# Altium PCB interface.PcbDoc (continued)
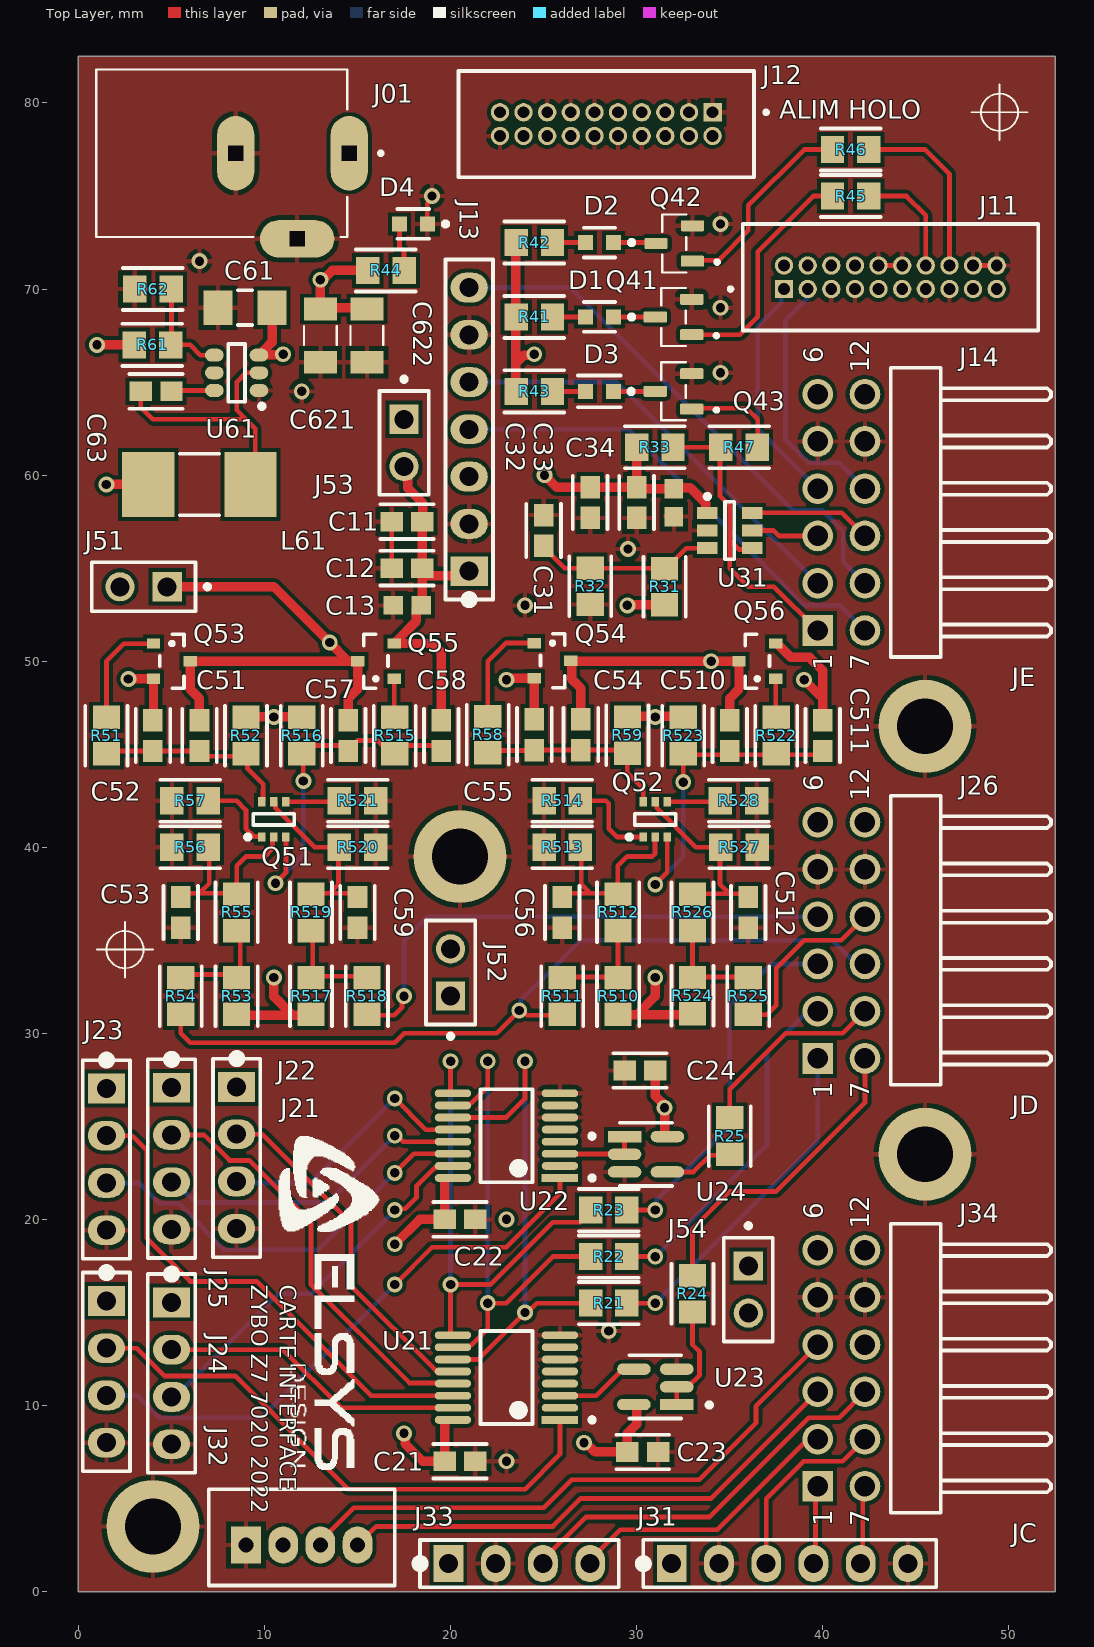
[diagram p0: Top Layer view]
## Part data (continued)
R31: library part ESR10EZPJ823, "Res Anti-surge 0805 82K Ohm 0.4W 5% SMD", Case Code (Imperial)=0805, Case Code (Metric)=2012, Manufacturer=Rohm, Max Operating Temperature=155°C, Max Power Dissipation=400mW, Min Operating Temperature=-55°C, Resistance=82kR, Supplier Part Number 1=755-ESR10EZPJ823, Temperature Coefficient=200ppm/°C, Tolerance=5%, Case/Package=0805, Category="Chip SMD Resistors", ComponentLink1Description=https://www.rohm.com/datasheet/ESR01MZPF/esr-e?src-supplier=Digi-Key, ComponentLink1URL=https://www.rohm.com/datasheet/ESR01MZPF/esr-e?src-supplier=Digi-Key, Features="Automotive AEC-Q200", Height=0.55mm, Length=2mm, Manufacturer Part Number=ESR10EZPJ823, Number of Terminations=2, Packaging="Tape and Reel", Pricing 1="1=0,10000, 10=0,08600, 50=0,08600, 100=0,03300, 1000=0,01500, 10000=0,01100 (USD)", RoHS=Yes, RoHS Compliant=Yes, Series=ESR, Stock 1=11137, Supplier 1=Mouser, Width=1.25mm
R32: library part ESR10EZPF2002, "Res Thick Film 0805 20KOhm 1% 2/5W ±100ppm/°C Molded SMD Paper T/R", Case/Package=0805, Manufacturer=Rohm, Max Operating Temperature=155°C, Max Power Dissipation=400mW, Min Operating Temperature=-55°C, Package Quantity=5000, Resistance=20kR, Resistor Type="Thick Film", Supplier Part Number 1=755-ESR10EZPF2002, Temperature Coefficient=100ppm/°C, Tolerance=1%, Category="Chip SMD Resistors", ComponentLink1Description=http://rohmfs.rohm.com/en/products/databook/datasheet/passive/resistor/chip_resistor/esr.pdf?src-supplier=Avnet, ComponentLink1URL=http://rohmfs.rohm.com/en/products/databook/datasheet/passive/resistor/chip_resistor/esr.pdf?src-supplier=Avnet, ComponentLink2Description=http://www.rohm.com/web/global/datasheet/ESR01MZPF/esr-e?src-supplier=Digi-Key, ComponentLink2URL=http://www.rohm.com/web/global/datasheet/ESR01MZPF/esr-e?src-supplier=Digi-Key, Features="Automotive AEC-Q200", Height=0.026inch, Length=0.079inch, Manufacturer Part Number=ESR10EZPF2002, Number of Terminations=2, Packaging="Tape and Reel", Pricing 1="1=0,18000, 10=0,15300, 50=0,15300, 100=0,06000, 1000=0,02600, 10000=0,02000 (USD)", RoHS=Yes, RoHS Compliant=Yes, Series=ESR10, Stock 1=3687, Supplier 1=Mouser, Width=0.049inch
R33 R52 R59 R62 R516 R523: library part ESR10EZPF1002, "Res Thick Film 0805 10K Ohm 1% 0.4W ±100ppm/C Pad SMD Automotive T/R", Case Code (Imperial)=0805, Case Code (Metric)=2012, Manufacturer=Rohm, Max Operating Temperature=155°C, Max Power Dissipation=400mW, Min Operating Temperature=-55°C, Package Quantity=1, Resistance=10kR, Resistor Type="Thick Film", Supplier Part Number 1=755-ESR10EZPF1002, Temperature Coefficient=100ppm/°C, Tolerance=1%, Case/Package=0805, Category="Chip SMD Resistors", ComponentLink1Description=https://datasheet.ciiva.com/2469/esr-2469862.pdf?src-supplier=Digi-Key, ComponentLink1URL=https://datasheet.ciiva.com/2469/esr-2469862.pdf?src-supplier=Digi-Key, ComponentLink2Description=https://datasheet.ciiva.com/2469/esr-2469863.pdf?src-supplier=Digi-Key, ComponentLink2URL=https://datasheet.ciiva.com/2469/esr-2469863.pdf?src-supplier=Digi-Key, ComponentLink3Description=https://datasheet.ciiva.com/2469/esr-2469864.pdf?src-supplier=Digi-Key, ComponentLink3URL=https://datasheet.ciiva.com/2469/esr-2469864.pdf?src-supplier=Digi-Key, Features="Automotive AEC-Q200", Height=0.026inch, Length=0.079inch, Manufacturer Part Number=ESR10EZPF1002, Number of Terminations=2, Packaging="Tape and Reel", Pricing 1="1=0,18000, 10=0,15300, 50=0,15300, 100=0,06000, 1000=0,02600, 2500=0,02300, 5000=0,02000, 10000=0,02000 (USD)", RoHS=Yes, RoHS Compliant=Yes, Series=ESR, Stock 1=82018, Supplier 1=Mouser, Width=0.049inch
R41 R42 R44: library part ESR10EZPJ391, "Res Thick Film 0805 390 Ohm 5% 0.4W ±200ppm/C Pad SMD Automotive T/R", Case Code (Imperial)=0805, Case Code (Metric)=2012, Manufacturer=Rohm, Max Operating Temperature=155°C, Max Power Dissipation=400mW, Min Operating Temperature=-55°C, Package Quantity=1, Resistance=390R, Resistor Type="Thick Film", Supplier Part Number 1=755-ESR10EZPJ391, Temperature Coefficient=200ppm/°C, Tolerance=5%, Case/Package=0805, Category="Chip SMD Resistors", ComponentLink1Description=https://datasheet.ciiva.com/2525/esr-2525659.pdf?src-supplier=Digi-Key, ComponentLink1URL=https://datasheet.ciiva.com/2525/esr-2525659.pdf?src-supplier=Digi-Key, ComponentLink2Description=https://datasheet.ciiva.com/2525/esr-2525660.pdf?src-supplier=Digi-Key, ComponentLink2URL=https://datasheet.ciiva.com/2525/esr-2525660.pdf?src-supplier=Digi-Key, ComponentLink3Description=https://datasheet.ciiva.com/2525/esr-2525661.pdf?src-supplier=Digi-Key, ComponentLink3URL=https://datasheet.ciiva.com/2525/esr-2525661.pdf?src-supplier=Digi-Key, Features="Automotive AEC-Q200", Height=0.026inch, Length=0.079inch, Manufacturer Part Number=ESR10EZPJ391, Number of Terminations=2, Packaging="Tape and Reel", Pricing 1="1=0,10000, 10=0,08600, 50=0,08600, 100=0,03300, 1000=0,01500, 10000=0,01100 (USD)", RoHS=Yes, RoHS Compliant=Yes, Series=ESR, Stock 1=14695, Supplier 1=Mouser, Width=0.049inch
R43: library part ESR10EZPJ621, "Res Thick Film 0805 620 Ohm 5% 0.4W ±200ppm/C Pad SMD Automotive T/R", Case Code (Imperial)=0805, Case Code (Metric)=2012, Manufacturer=Rohm, Max Operating Temperature=155°C, Max Power Dissipation=400mW, Min Operating Temperature=-55°C, Package Quantity=5000, Resistance=620R, Resistor Type="Thick Film", Supplier Part Number 1=755-ESR10EZPJ621, Temperature Coefficient=200ppm/°C, Tolerance=5%, Case/Package=0805, Category="Chip SMD Resistors", ComponentLink1Description=https://datasheet.ciiva.com/14925/esr-14925654.pdf?src-supplier=Digi-Key, ComponentLink1URL=https://datasheet.ciiva.com/14925/esr-14925654.pdf?src-supplier=Digi-Key, ComponentLink2Description=https://datasheet.ciiva.com/14932/esr-14932253.pdf?src-supplier=Digi-Key, ComponentLink2URL=https://datasheet.ciiva.com/14932/esr-14932253.pdf?src-supplier=Digi-Key, Features="Automotive AEC-Q200", Height=0.026inch, Length=0.079inch, Manufacturer Part Number=ESR10EZPJ621, Number of Terminations=2, Packaging="Tape and Reel", Pricing 1="1=0,10000, 10=0,08600, 50=0,08600, 100=0,03300, 1000=0,01500, 2500=0,01300, 5000=0,01100, 10000=0,01100 (USD)", RoHS=Yes, RoHS Compliant=Yes, Series=ESR, Stock 1=24071, Supplier 1=Mouser, Width=0.049inch
R51 R55 R56 R58 R512 R513 R515 R519 R520 R522 R526 R527: library part ESR10EZPF1001, "Res Thick Film 0805 1K Ohm 1% 0.4W ±100ppm/C Epoxy Resin Pad SMD Automotive T/R", Case Code (Imperial)=0805, Case Code (Metric)=2012, Manufacturer=Rohm, Max Operating Temperature=155°C, Max Power Dissipation=400mW, Min Operating Temperature=-55°C, Package Quantity=1, Resistance=1kR, Resistor Type="Thick Film", Supplier Part Number 1=755-ESR10EZPF1001, Temperature Coefficient=100ppm/°C, Tolerance=1%, Case/Package=0805, Category="Chip SMD Resistors", ComponentLink1Description=https://datasheet.ciiva.com/2470/esr-2470004.pdf?src-supplier=Digi-Key, ComponentLink1URL=https://datasheet.ciiva.com/2470/esr-2470004.pdf?src-supplier=Digi-Key, ComponentLink2Description=https://datasheet.ciiva.com/2470/esr-2470005.pdf?src-supplier=Digi-Key, ComponentLink2URL=https://datasheet.ciiva.com/2470/esr-2470005.pdf?src-supplier=Digi-Key, ComponentLink3Description=https://datasheet.ciiva.com/2470/esr-2470003.pdf?src-supplier=Digi-Key, ComponentLink3URL=https://datasheet.ciiva.com/2470/esr-2470003.pdf?src-supplier=Digi-Key, Features="Automotive AEC-Q200", Height=0.026inch, Lead Free="Lead Free", Length=0.079inch, Manufacturer Part Number=ESR10EZPF1001, Number of Terminations=2, Packaging="Tape and Reel", Power Rating=400mW, Pricing 1="1=0,18000, 10=0,15300, 50=0,15300, 100=0,06000, 1000=0,02600, 10000=0,02000 (USD)", RoHS=Yes, RoHS Compliant=Yes, Series=ESR, Size Code=0805, Stock 1=27313, Supplier 1=Mouser, Width=0.049inch
R53 R510 R517 R524: library part ESR10EZPF1003, "Res Thick Film 0805 100K Ohm 1% 0.4W ±100ppm/C Epoxy Resin Pad SMD Automotive T/R", Case Code (Imperial)=0805, Case Code (Metric)=2012, Manufacturer=Rohm, Max Operating Temperature=155°C, Max Power Dissipation=400mW, Min Operating Temperature=-55°C, Package Quantity=1, Resistance=100kR, Resistor Type="Thick Film", Supplier Part Number 1=755-ESR10EZPF1003, Temperature Coefficient=100ppm/°C, Tolerance=1%, Working Voltage=150V, Case/Package=0805, Category="Chip SMD Resistors", ComponentLink1Description=https://datasheet.ciiva.com/2498/esr-2498617.pdf?src-supplier=Digi-Key, ComponentLink1URL=https://datasheet.ciiva.com/2498/esr-2498617.pdf?src-supplier=Digi-Key, ComponentLink2Description=https://datasheet.ciiva.com/2498/esr-2498618.pdf?src-supplier=Digi-Key, ComponentLink2URL=https://datasheet.ciiva.com/2498/esr-2498618.pdf?src-supplier=Digi-Key, ComponentLink3Description=https://datasheet.ciiva.com/2498/esr-2498619.pdf?src-supplier=Digi-Key, ComponentLink3URL=https://datasheet.ciiva.com/2498/esr-2498619.pdf?src-supplier=Digi-Key, Features="Automotive AEC-Q200", Height=0.026inch, Lead Free="Lead Free", Length=0.079inch, Manufacturer Part Number=ESR10EZPF1003, Number of Terminations=2, Packaging="Tape and Reel", Power Rating=400mW, Pricing 1="1=0,18000, 10=0,15300, 50=0,15300, 100=0,06000, 1000=0,02600, 10000=0,02000 (USD)", RoHS=Yes, RoHS Compliant=Yes, Series=ESR, Stock 1=66757, Supplier 1=Mouser, Technology="THICK FILM", Width=0.049inch
R57 R514 R521 R528: library part ESR10EZPJ821, "Res Thick Film 0805 820 Ohm 5% 0.4W ±200ppm/C Epoxy Resin Pad SMD Automotive T/R", Case Code (Imperial)=0805, Case Code (Metric)=2012, Manufacturer=Rohm, Max Operating Temperature=155°C, Max Power Dissipation=400mW, Min Operating Temperature=-55°C, Package Quantity=1, Power Rating=250mW, Resistance=820R, Resistor Type="Thick Film", Supplier Part Number 1=755-ESR10EZPJ821, Temperature Coefficient=200ppm/°C, Tolerance=5%, Case/Package=0805, Category="Chip SMD Resistors", ComponentLink1Description=https://datasheet.ciiva.com/2469/esr-2469639.pdf?src-supplier=Digi-Key, ComponentLink1URL=https://datasheet.ciiva.com/2469/esr-2469639.pdf?src-supplier=Digi-Key, ComponentLink2Description=https://datasheet.ciiva.com/2469/esr-2469640.pdf?src-supplier=Digi-Key, ComponentLink2URL=https://datasheet.ciiva.com/2469/esr-2469640.pdf?src-supplier=Digi-Key, ComponentLink3Description=https://datasheet.ciiva.com/2469/esr-2469641.pdf?src-supplier=Digi-Key, ComponentLink3URL=https://datasheet.ciiva.com/2469/esr-2469641.pdf?src-supplier=Digi-Key, ComponentLink4Description=https://datasheet.ciiva.com/16508/esr10ezpd-16508527.pdf?src-supplier=Future+Electronics, ComponentLink4URL=https://datasheet.ciiva.com/16508/esr10ezpd-16508527.pdf?src-supplier=Future+Electronics, Features="Automotive AEC-Q200", Height=0.026inch, Lead Free="Lead Free", Length=0.079inch, Manufacturer Part Number=ESR10EZPJ821, Number of Terminations=2, Packaging="Tape and Reel", Pricing 1="1=0,10000, 10=0,08600, 50=0,08600, 100=0,03300, 1000=0,01500, 10000=0,01100 (USD)", RoHS=Yes, RoHS Compliant=Yes, Series=ESR, Size Code=0805, Stock 1=2887, Supplier 1=Mouser, Width=0.049inch
R61: library part KTR10EZPF5232, "Res High Voltage 0805 52.3K Ohm 1/8W 1% SMD", Case Code (Imperial)=0805, Case Code (Metric)=2012, Manufacturer=Rohm, Max Operating Temperature=155°C, Max Power Dissipation=125mW, Min Operating Temperature=-55°C, Package Quantity=5000, Resistance=52.3kR, Resistor Type="Thick Film", Supplier Part Number 1=755-KTR10EZPF5232, Temperature Coefficient=100ppm/°C, Tolerance=1%, Case/Package=0805, Category="Chip SMD Resistors", ComponentLink1Description=https://datasheet.ciiva.com/14926/ktr-14926604.pdf?src-supplier=Digi-Key, ComponentLink1URL=https://datasheet.ciiva.com/14926/ktr-14926604.pdf?src-supplier=Digi-Key, Features="Automotive AEC-Q200", Height=0.026inch, Length=0.079inch, Manufacturer Part Number=KTR10EZPF5232, Number of Terminations=2, Packaging="Cut Tape", Pricing 1="1=0,19000, 10=0,16700, 50=0,16700, 100=0,06600, 1000=0,02800, 10000=0,02200 (USD)", RoHS=Yes, RoHS Compliant=Yes, Series=KTR, Stock 1=7499, Supplier 1=Mouser, Width=0.049inch
U21 U22: "1-CHANNEL, 8:1 GENERAL-PURPOSE A", Supplier Part Number 1=595-TMUX1308PWR, Supplier 1=Mouser
U23 U24: "Single Power Supply 2-input POSITIVE NOR GATE Logic Level Shifter 5-SOT-23 -40 to 125", Case/Package=SOT-23-5, High Level Output Current=8mA, Manufacturer="Texas Instruments", Max Operating Temperature=125°C, Min Operating Temperature=-40°C, Quiescent Current=10uA, Supplier Part Number 1=595-SN74LV1T02DBVRG4, Category="Logic Gates", ComponentLink1Description=http://www.ti.com/lit/ds/symlink/sn74lv1t02.pdf?src-supplier=Digi-Key, ComponentLink1URL=http://www.ti.com/lit/ds/symlink/sn74lv1t02.pdf?src-supplier=Digi-Key, ComponentLink2Description=http://www.ti.com/general/docs/suppproductinfo.tsp?distId=10&amp;gotoUrl=http%3A%2F%2Fwww.ti.com%2Flit%2Fgpn%2Fsn74lv1t02&src-supplier=Digi-Key, ComponentLink2URL=http://www.ti.com/general/docs/suppproductinfo.tsp?distId=10&amp;gotoUrl=http%3A%2F%2Fwww.ti.com%2Flit%2Fgpn%2Fsn74lv1t02&src-supplier=Digi-Key, Logic Function="NOR GATE", Low Level Output Current=8mA, Manufacturer Part Number=SN74LV1T02DBVRG4, Mount="Surface Mount", Number of Bits=1, Number of Circuits=1, Number of Inputs=2, Packaging="Cut Tape", Pricing 1="1=0,56000, 10=0,47800, 50=0,47800, 100=0,33100, 500=0,28000, 1000=0,21700, 3000=0,19700, 6000=0,18400, 10000=0,18400 (USD)", Propagation Delay=7ns, RoHS=Yes, RoHS Compliant=Yes, Stock 1=2805, Supplier 1=Mouser
U31: "10-Bit, 189kSPS, 1-Ch SAR ADC with I2C and Alert Pin 6-SOT-23-THIN -40 to 105", Case/Package=TSSOP, Manufacturer="TI National Semiconductor", Max Operating Temperature=105°C, Max Power Dissipation=60mW, Max Supply Voltage=5.5V, Min Operating Temperature=-40°C, Min Supply Voltage=2.7V, Operating Supply Voltage=5V, Package Quantity=3000, Supplier Part Number 1=926-A101C021CIMKXNPB, Category="Analog to Digital Converters (ADCs)", ComponentLink1Description=https://datasheet.ciiva.com/13061/snas446c-181689-13061009.pdf?src-supplier=Mouser, ComponentLink1URL=https://datasheet.ciiva.com/13061/snas446c-181689-13061009.pdf?src-supplier=Mouser, ComponentLink2Description=https://datasheet.ciiva.com/14259/adc101c027-14259479.pdf?src-supplier=Avnet, ComponentLink2URL=https://datasheet.ciiva.com/14259/adc101c027-14259479.pdf?src-supplier=Avnet, ComponentLink3Description=https://datasheet.ciiva.com/6662/adc101c021-6662764.pdf?src-supplier=Digi-Key, ComponentLink3URL=https://datasheet.ciiva.com/6662/adc101c021-6662764.pdf?src-supplier=Digi-Key, Contact Plating=Tin,Matte, Conversion Rate=188.9KS/s, Differential Nonlinearity=0.7LSB, Full Scale Error=1LSB, Input Type=SINGLE-ENDED, Integral Nonlinearity (INL)=0.7LSB, Interface=I2C, Lead Free="Lead Free", Manufacturer Part Number=ADC101C021CIMKX/NOPB, Mount="Surface Mount", Number of A/D Converters=1, Number of Analog Inputs=1, Number of Bits=10, Number of Channels=1, Number of Converters=1, Number of Inputs=1, Number of Pins=6, Packaging="Tape and Reel", Polarity=Unipolar, Pricing 1="1=1,72000, 10=1,55000, 50=1,47000, 100=1,21000, 1000=0,78700, 10000=0,78700 (USD)", Radiation Hardening=No, Resolution=10b, RoHS=Yes, RoHS Compliant=Yes, Sampling Rate=188900S/s, Series=-, Signal to Noise Ratio (SNR)=61.8dB, Stock 1=2915, Supplier 1=Mouser, Supply Type=Analog,Digital,Single
U61: "Converter DC to DC 4.2V to 18V Synchronous Step Down Single-Out 3A 6-Pin TSOT-26 T/R", Manufacturer=Diodes, Supplier Part Number 1=621-AP62301WU-7, Category="Voltage Regulators - Switching", Manufacturer Part Number=AP62301WU-7, Pricing 1="1=0,49000, 10=0,41600, 50=0,41600, 100=0,28800, 500=0,24400, 1000=0,18900, 3000=0,17100, 10000=0,17100 (USD)", RoHS=Yes, Stock 1=159264, Supplier 1=Mouser

## Free pads (board coordinates)
  round 5 hole 3: ""(4,3.5) ""(20.5,39.5) ""(45.5,23.5) ""(45.5,46.5)

## Via types
v1: diameter 0.85, hole 0.5, Top Layer to Bottom Layer, 48 vias
v2: diameter 0.85/0.85/0.85/0.85 (per signal layer), hole 0.5, Top Layer to Bottom Layer, 3 vias

## Nets (pads, with @x,y where several pads share a name; then routed paths per layer and width w, separated by ;. In a path a pad name is that pad's centre, name@x,y a point inside that pad or via, vN(x,y) a via of type N, cw(c..) or ccw(c..) an arc to the next point about the centre after c; other vN are vias at no path point)
+3V3: C32.2 C33.2 C34.2 C54.2 C510.2 J12.5 J12.7 J12.9 J12.17 J12.19 J13.3 J32.2 J33.1 J52.1 J54.1 Q54.3 Q56.3 R33.1 R53.2 R510.2 R517.2 R524.2 U31.1 | length 41
  Top Layer w0.508: R53.2@8.587,31.062 8.5,30.975 11.5,30.975 ; v1(10.5,33) 10.5,31.975 11.5,30.975 ; R517.2@12.413,31.062 12.5,30.975 11.5,30.975 ; v1(25.046,60) 25.695,59.351 C33.2 ; Q54.3 26.5,50.025 Q54.3@26.5,50 ; C54.2 27,48.55 26.5,49.05 Q54.3@26.5,50 ; R510.2@29,31 29,30.975 29.025,31 30,31 ; R33.1 C33.2 ; v1(31,33) 31,32 30,31 ; R524.2@33,31 30,31 ; U31.1 33.776,57.975 33.705,58.046 33.705,58.5 32.873,59.331 32.081,59.331 32,59.25 C34.2 30.076,59.275 C33.2 ; C510.2 35,48 35.5,48.5 Q56.3 v1(34,50) 28.907,50 Q54.3@26.5,50
+3V3_NFC: C511.2 J31.1 J54.2 Q56.2 | length 7.2
  Top Layer w0.508: Q56.2 37.551,50.95 38.294,50.206 39.294,50.206 40,49.5 40,48.163 ; v1(39,49) 39.837,48.163 40,48.163 ; C511.2 40,48.163
+3V3_US: C24.2 C55.2 J52.2 Q54.2 U24.5 | length 7.5
  Top Layer w0.508: v1(23,49) 23.075,49.075 Q54.2 24.5,49.068 C55.2 ; C24.2 31,26.64 31.5,26.14 v1(31.5,26) 31.5,24.6 U24.5
+5V: C51.2 C57.2 J12.2 J12.4 J12.6 J51.1 J53.1 Q53.3 Q55.3 R41.2 R42.2 R43.2 | length 36.4
  Top Layer w0.508: J51.1 10.5,54 v1(13.5,51) 14.5,50 ; C51.2 6.5,48 6,48.5 Q53.3 14.5,50 ; C57.2 14.5,48 15,48.5 Q55.3 14.5,50 ; R43.2@23.475,64.5 23.5,64.525 23.5,66 ; R42.2@23.475,72.5 23.5,72.475 23.5,68.525 23.475,68.5 23.5,68.475 23.5,66 ; v1(24.5,66.5) 24.434,66.434 23.934,66.434 23.5,66
+5V_US: C21.2 C22.2 C23.2 C52.2 J21.1 J22.1 J23.1 J24.1 J25.1 J51.2 Q53.2 U21.16 U22.16 U23.5 | length 19.7
  Top Layer w0.508: v1(2.681,49.044) 2.684,49.047 4.029,49.047 Q53.2 4.032,46.858 C52.2 ; v2(17,18.661) 18.339,20 C22.2 U22.16@19.674,22.181 ; v2(17.5,8.5) 17.566,8.434 17.566,7.934 18.5,7 C21.2 U21.16@19.674,9.148 ; v2(27.171,8) 27.264,8 27.764,7.5 C23.2 29.5,8.5 30,9 30,10.002 29.952,10.05 U23.5
+5V_ZYBO: C621.2 C622.2 J01.1 L61.2 R44.2 R61.2 | length 11
  Top Layer w0.508: v1(1,67) R61.2 ; v1(1.5,59.5) L61.2 ; C622.2 15.428,69 13,69 v1(13,70.5) 13.14,70.5 13.64,71 R44.2@15.5,71
+12V: C61.2 J12.14 J12.16 J12.18 R31.2 R52.1 R59.1 R516.1 R523.1 U61.3 | length 12.1
  Top Layer w0.508: R52.1@9,47.025 R516.1@12,47.025 ; U61.3 9.725,66.475 U61.3@9.754,66.475 ; C61.2 10.403,67.153 9.935,66.685 9.935,66.656 U61.3@9.754,66.475 ; v1(11,66.5) 10.975,66.475 U61.3@9.754,66.475 ; R59.1@29.5,47.05 32.475,47.05 R523.1@32.5,47.025 ; v1(29.5,53) 29.524,53.024 31.476,53.024 R31.2@31.5,53.048
  other v1: 10.5,47 31,47
BALISE_I2C_SCL: J33.4 J34.2 | length 15.1
  Top Layer w0.254: J33.4 27.5,1.7 29.122,3.323 34.322,3.323 38,7 38.923,7.923 39.463,7.923 J34.2
BALISE_I2C_SDA: J33.3 J34.9 | length 21.3
  Top Layer w0.254: J33.3 24.96,1.7 27.26,4 33.911,4 39.253,9.342 40.882,9.342 J34.9
BAT_ALERT: J14.1 R33.2 R47.1 U31.4 | length 16.8
  Top Layer w0.254: R33.2 R47.1@34.475,61.5 ; R47.1 R47.1@34.475,61.5 ; U31.4 36.125,56 35.5,56 35,56.5 ; J14.1 37.38,54 36,54 35,55 35,56.5 ; R47.1@34.475,61.5 34.475,58.882 35,58.357 35,56.5
BAT_I2C_SCL: J14.3 U31.5 | length 3.7
  Top Layer w0.254: U31.5 37.34,57.025 37.635,56.73 J14.3
BAT_I2C_SDA: J14.9 U31.6 | length 6.6
  Top Layer w0.254: U31.6 41.025,57.975 J14.9
GND: C11.1 C12.1 C13.1 C21.1 C22.1 C23.1 C24.1 C31.1 C32.1 C33.1 C34.1 C53.1 C56.1 C59.1 C61.1 C512.1 C621.1 C622.1 D4.1 J01.2 J01.3 J11.5 J11.7 J11.10 J11.12 J11.13 J11.15 J11.18 J11.20 J12.1 J12.3 J12.8 J12.10 J12.11 J12.12 J12.13 J12.15 J12.20 J13.2 J13.6 J14.5 J14.11 J21.4 J22.4 J23.4 J24.4 J25.4 J26.5 J26.11 J31.2 J31.6 J32.1 J33.2 J34.5 J34.11 pad. Q41.2 Q42.2 Q43.2 R32.1 R56.1 R57.1 R62.1 R513.1 R514.1 R520.1 R521.1 R527.1 R528.1 U21.6 U21.8 U22.6 U22.8 U23.3 U24.3 U31.2 U61.1 | length 7.1
  Top Layer w0.254: C12.1 C11.1 ; D4.1 18.75,74.589 19,74.839 v1(19,75) ; C34.1@31.577,57.775 C34.1 ; J11.10 J11.12 ; J11.18 J11.20
  other v1: 23,7 28.5,14 24,53 29.532,56.032 12,64.5 34.5,65.5 34.5,69 6.5,71.5 34.5,73.5
GSM_PWR_5VIN: C11.2 C12.2 C13.2 C58.2 J13.1 J53.2 Q55.2 | length 20.1
  Top Layer w0.508: Q55.2 Q55.2@17.05,50.95 ; J53.2 17.706,60.254 17.706,59.294 18.5,58.5 18.5,57.514 C11.2 C12.2 C12.2@18.486,54.603 ; C13.2 18.408,53 18.162,52.754 18.162,52.162 17.076,51.076 17.076,50.976 Q55.2@17.05,50.95 ; C13.2@18.486,53.076 C12.2@18.486,54.603 ; C58.2 19.5,50.5 19.05,50.95 Q55.2@17.05,50.95 ; J13.1 20.763,54.603 C12.2@18.486,54.603
  Top Layer pwr w0.508: J13.1@20.5,54.34 J13.1
GSM_RST: J13.7 J14.8 | length 28.8
  Bottom Layer w0.254: J13.7 26.42,70.08 38.382,58.118 39.971,58.118 41.105,56.984 41.105,55.355 J14.8
GSM_UART_RXD: J13.5 J14.2 | length 23.2
  Bottom Layer w0.254: J13.5 28.92,65 J14.2
GSM_UART_TXD: J13.4 J14.7 | length 25.7
  Bottom Layer w0.254: J13.4 29.54,62.46 39,53 40.92,53 J14.7
HOLO_LED_DEBUG: J11.16 R46.1 | length 9.7
  Top Layer w0.254: R46.1@42.525,77.5 45.5,77.5 46.81,76.19 J11.16
HOLO_LED_PWR: J11.14 R45.1 | length 6.1
  Top Layer w0.254: R45.1@42.525,75 44.5,75 45.54,73.96 J11.14
HOLO_UART_RX: J11.1 J14.4 | length 12.7
  Bottom Layer w0.254: J11.1 37.775,69.855 37.775,69.275 36.5,68 36.5,62.5 J14.4
HOLO_UART_TX: J11.3 J14.10 | length 14
  Bottom Layer w0.254: J11.3 39.23,69.96 39.23,69.57 38,68.34 38,61.911 39.253,60.658 40.882,60.658 J14.10
IMU_I2C_SCL: J32.4 J34.3 | length 28.1
  Top Layer w0.254: J32.4 16,3.5 25.5,3.5 27,5 34,5 J34.3
IMU_I2C_SDA: J32.3 J34.4 | length 31.8
  Top Layer w0.254: J32.3 13,2.7 14.8,4.5 25,4.5 26.5,6 33.351,6 36.407,9.056 36.407,9.947 J34.4
NetC31_2: C31.2 R31.1 R32.2 U31.3 | length 9.8
  Top Layer w0.254: C31.2 25,56.125 26.123,55.002 31.602,55.002 32.675,56.075 U31.3
NetC51_1: C51.1 C52.1 Q51.6 R51.1 R52.2 | length 10.8
  Top Layer w0.254: R51.1@1.5,44.975 1.699,45.174 C52.1@4.029,45.174 ; C52.1 4.014,45.16 C52.1@4.029,45.174 ; Q51.6@9.777,42.54 9.85,42.467 Q51.6 9.923,42.523 9.923,43.081 9.937,43.095 9.937,43.376 9.087,44.226 9.087,44.888 6.786,44.888 C51.1 C52.1@4.029,45.174
NetC53_2: C53.2 Q51.2 R55.2 R56.2 | length 10.2
  Top Layer w0.254: C53.2 5.699,37.525 6.5,37.525 ; R56.2@7.025,40 7.025,38.993 7.027,38.991 7.027,38.052 6.5,37.525 ; Q51.2 10.427,40.477 10.427,39.927 10,39.5 9,39.5 8.5,39 8.5,37.525 6.5,37.525
NetC54_1: C54.1 C55.1 Q52.6 R58.1 R59.2 | length 10.6
  Top Layer w0.254: R58.1@22,45.025 22.175,45.2 24.15,45.2 24.256,45.306 24.419,45.306 C55.1 C54.1 29.276,45.224 29.5,45 29.5,44 30.35,43.15 Q52.6
NetC56_2: C56.2 Q52.2 R512.2 R513.2 | length 10.5
  Top Layer w0.254: C56.2 26,37.396 C56.2@26.186,37.583 ; C56.2@26.206,37.532 27,37.532 ; 27.025,37.557 27,37.532 ; R513.2@27.025,40 27.025,38.007 27.5,37.532 ; Q52.2 30.987,40.537 30.987,39.656 30.838,39.507 29.487,39.507 28.987,39.007 28.987,37.538 29,37.525 28.993,37.532 27.5,37.532 ; 27,37.532 27.5,37.532
NetC57_1: C57.1 C58.1 Q51.3 R515.1 R516.2 | length 19
  Top Layer w0.254: v1(10.587,38.062) 10.587,38.076 11.15,38.639 Q51.3 ; v1(12.087,43.562) 12.087,44.888 12,44.975 12.498,45.473 14.201,45.473 C57.1 14.5,45.248 14.988,45.736 16.089,45.736 16.85,44.975 R515.1@17,44.975 ; R515.1@17.087,44.975 17.585,45.473 19.201,45.473 C58.1
  Bottom Layer w0.254: v1(10.587,38.062) 12.087,39.562 v1(12.087,43.562)
NetC59_2: C59.2 Q51.5 R519.2 R520.2 | length 9.9
  Top Layer w0.254: Q51.5 10.573,42.377 10.573,42.115 12.688,40 13.975,40 13.975,38 13.5,37.525 ; R519.2@12.5,37.525 13.5,37.525 ; C59.2 14.801,37.525 13.5,37.525
NetC63_1: C63.1 U61.4 | length 2.3
  Top Layer w0.254: C63.1 5.05,64.55 U61.4
NetC63_2: C63.2 L61.1 U61.2 | length 14.2
  Top Layer w0.254: C63.2 3.348,63.652 4,63 9,63 ; L61.1 9.5,59.75 9.5,62.5 9,63 ; U61.2 9,65.5 8.5,65 8.5,63.5 9,63
NetC510_1: C510.1 C511.1 Q52.3 R522.1 R523.2 | length 18.1
  Top Layer w0.254: v1(31,38) 31.65,38.65 Q52.3 ; v1(32.5,43.5) 32.5,44.975 34.801,44.975 C510.1 ; C510.1@35,45.1 35.125,44.975 37.5,44.975 39.801,44.975 C511.1
  Bottom Layer w0.254: v1(31,38) 32.5,39.5 v1(32.5,43.5)
NetC512_2: C512.2 Q52.5 R526.2 R527.2 | length 10.4
  Top Layer w0.254: Q52.5 31.073,42.377 31.073,42.115 33.188,40 34.475,40 34.475,38.025 35,37.5 ; R526.2@33,37.525 33.025,37.5 35,37.5 ; C512.2 35.826,37.5 35,37.5
NetD1_1: D1.1 Q41.3 | length 2.2
  Top Layer w0.254: D1.1 Q41.3
NetD1_2: D1.2 R41.1 | length 1.7
  Top Layer w0.254: R41.1@25.525,68.5 D1.2
NetD2_1: D2.1 Q42.3 | length 2.3
  Top Layer w0.254: D2.1 30.99,72.5 Q42.3
NetD2_2: D2.2 R42.1 | length 1.7
  Top Layer w0.254: R42.1@25.525,72.5 D2.2
NetD3_1: D3.1 Q43.3 | length 2.2
  Top Layer w0.254: D3.1 Q43.3
NetD3_2: D3.2 R43.1 | length 1.7
  Top Layer w0.254: R43.1@25.525,64.5 D3.2
NetD4_2: D4.2 R44.1 | length 2.6
  Top Layer w0.254: D4.2 17.25,72.25 17.5,72 17.5,71.05 R44.1@17.55,71
NetQ41_1: Q41.1 R45.2 | length 12.7
  Top Layer w0.254: Q41.1 35.55,67.55 36.5,68.5 36.5,72 39.5,75 R45.2@40.475,75
NetQ42_1: Q42.1 R46.2 | length 10.8
  Top Layer w0.254: Q42.1 33.05,71.55 34.401,71.55 36,73.149 36,74.5 39,77.5 R46.2@40.475,77.5
NetQ43_1: Q43.1 R47.2 | length 5.3
  Top Layer w0.254: Q43.1 33.01,63.6 35.9,63.6 36.5,63 36.5,61.525 R47.2@36.525,61.5
NetQ51_1: Q51.1 R57.2 | length 4.2
  Top Layer w0.254: R57.2@7.025,42.5 8.5,42.5 9,42 9,41 9.418,40.582 9.818,40.582 Q51.1
NetQ51_4: Q51.4 R521.2 | length 2.8
  Top Layer w0.254: Q51.4 13.925,42.45 R521.2@13.975,42.5
NetQ52_1: Q52.1 R514.2 | length 5
  Top Layer w0.254: R514.2@27.025,42.5 R514.2@27.379,42.5 ; R514.2@27.379,42.627 27.506,42.5 27.525,42.5 28.351,42.5 28.5,42.351 28.5,41 28.95,40.55 Q52.1
NetQ52_4: Q52.4 R528.2 | length 2.8
  Top Layer w0.254: Q52.4 34.4,42.45 R528.2@34.45,42.5
NetQ53_1: Q53.1 R51.2 | length 5.9
  Top Layer w0.254: R51.2@1.5,47.025 1.5,50 2.438,50.938 4.02,50.938 Q53.1
NetQ54_1: Q54.1 R58.2 | length 5.8
  Top Layer w0.254: R58.2@22,47.075 22,50 22.975,50.975 Q54.1
NetQ55_1: Q55.1 R515.2 | length 2
  Top Layer w0.254: Q55.1 16.968,47.057 R515.2@17,47.025
NetQ56_1: Q56.1 R522.2 | length 2
  Top Layer w0.254: Q56.1 37.468,47.057 R522.2@37.5,47.025
NetR21_1: R21.1 U21.11 U22.11 | length 28.4
  Top Layer w0.254: U21.11 21.475,12.475 v1(24,15) 24.14,15 24.64,15.5 R21.1@27.475,15.5 ; U22.11 22.975,25.475 24,26.5 v1(24,28.5)
  Bottom Layer w0.254: v1(24,15) v1(24,28.5)
NetR22_1: R22.1 U21.10 U22.10 | length 26.8
  Top Layer w0.254: U21.10 20.937,13.125 21.05,13.238 21.115,13.238 22,14.123 v1(22,15.5) 23,15.5 25.5,18 R22.1@27.475,18 ; U22.10 20.937,26.125 21.05,26.238 21.115,26.238 22,27.123 v1(22,28.5)
  Bottom Layer w0.254: v1(22,15.5) v1(22,28.5)
NetR23_1: R23.1 U21.9 U22.9 | length 25.8
  Top Layer w0.254: v1(20,28.5) 20,26.852 20.077,26.775 U22.9 ; U21.9 20.077,13.775 20,13.852 v1(20,16.5) 22.142,16.5 25.494,19.852 26.977,19.852 27.475,20.35 R23.1@27.475,20.5
  Bottom Layer w0.254: v1(20,16.5) v1(20,28.5)
NetR24_2: R24.2 U23.1 U23.2 | length 5.9
  Top Layer w0.254: U23.1 U23.2 32.747,11 33.38,11.633 33.38,12.892 33,13.272 R24.2@33,14.975
NetR25_1: R25.1 U24.4 | length 3.7
  Top Layer w0.254: U24.4 33.05,22.55 33.95,23.45 R25.1@35,23.45
NetR53_1: R53.1 R54.2 R55.1 | length 5.6
  Top Layer w0.254: R54.2@5.5,33.025 5.637,33.162 8.363,33.162 R53.1@8.5,33.025 ; R55.1@8.5,35.475 8.687,35.288 8.687,33.212 R53.1@8.575,33.1
NetR61_1: R61.1 R62.2 U61.6 | length 5.5
  Top Layer w0.254: R62.2@5,70 5,67 6,67 6.55,66.45 U61.6
NetR510_1: R510.1 R511.2 R512.1 | length 5.4
  Top Layer w0.254: R511.2@26,33.025 26.002,33.027 28.998,33.027 R510.1@29,33.025 ; R510.1@29,33.027 R512.1@29,35.475
NetR517_1: R517.1 R518.2 R519.1 | length 5.5
  Top Layer w0.254: R517.1@12.5,33.025 12.587,33.112 12.587,35.388 R519.1@12.5,35.475 ; R517.1@12.537,33.062 15.463,33.062 R518.2@15.5,33.025
NetR524_1: R524.1 R525.2 R526.1 | length 5.5
  Top Layer w0.254: R524.1@33,33.05 R524.1@33,33.025 ; R526.1@33,35.475 R524.1@33,33.025 ; R525.2@36,33.025 R524.1@33,33.025
NFC_FD: J31.3 J34.8 | length 10.1
  Top Layer w0.254: J31.3 36.96,4.992 38.968,7 41.08,7 J34.8
NFC_I2C_SCL: J31.5 J34.7 | length 4.2
  Top Layer w0.254: J31.5 42.155,1.615 42.155,5.535 J34.7
NFC_I2C_SDA: J31.4 J34.1 | length 4.2
  Top Layer w0.254: J31.4 39.615,1.615 39.615,5.535 J34.1
PWR_MGT_GSM: J26.4 R518.1 | length 28.5
  Top Layer w0.254: R518.1@15.5,30.975 16.975,30.975 17.386,31.386 17.386,31.886 v1(17.5,32)
  Bottom Layer w0.254: v1(17.5,32) 17.5,35 18.77,36.27 J26.4
PWR_MGT_NFC: J26.10 R525.1 | length 9.6
  Top Layer w0.254: R525.1@36,30.975 36.025,31 37,31 37.5,31.5 37.5,33.5 39,35 41,35 J26.10
PWR_MGT_US: J26.9 R54.1 R511.1 | length 43.4
  Top Layer w0.254: R54.1@5.5,30.975 5.5,30 6,29.5 17,29.5 17.5,30 19,30 22.472,30 v1(23.694,31.222) 23.855,31.222 24.102,30.975 R511.1@26,30.975
  Bottom Layer w0.254: v1(23.694,31.222) 23.774,31.302 23.774,31.774 25.345,33.345 27,35 40.5,35 41.503,33.997 42.003,33.997 J26.9
US_1_ECHO_5V: J21.3 U22.12 | length 14.2
  Top Layer w0.254: v1(17,26.5) 18.675,24.825 U22.12
  Bottom Layer w0.254: J21.3 8.58,21.96 12.46,21.96 v1(17,26.5)
US_1_TRIG_5V: J21.2 U21.12 | length 18.9
  Top Layer w0.254: J21.2 9.881,24.58 14.645,19.816 14.645,16.427 19.215,11.857 20.093,11.857 U21.12
US_2_ECHO_5V: J22.3 U22.13 | length 17.2
  Top Layer w0.254: v1(17,24.5) 17.122,24.5 17.447,24.175 U22.13
  Bottom Layer w0.254: J22.3 5.2,22 6.287,20.913 13.413,20.913 v1(17,24.5)
US_2_TRIG_5V: J22.2 U21.13 | length 22.6
  Top Layer w0.254: J22.2 6.746,24.54 8.119,23.167 9.167,23.167 12.5,19.834 12.5,16.5 17.793,11.207 20.093,11.207 U21.13
US_3_ECHO_5V: J23.3 U22.14 | length 22.3
  Top Layer w0.254: v1(17,22.5) 18.025,23.525 U22.14
  Bottom Layer w0.254: J23.3 3.246,21.96 4.333,20.873 5.381,20.873 6.75,19.504 6.75,19.456 7.833,18.373 12.873,18.373 v1(17,22.5)
US_3_TRIG_5V: J23.2 U21.14 | length 27.2
  Top Layer w0.254: J23.2 2.881,24.5 3.673,23.708 3.673,18.993 5.999,16.667 9.585,16.667 15.727,10.525 U21.14
US_4_ECHO_5V: J24.3 U22.15 | length 20.6
  Top Layer w0.254: v1(17,20.5) 17.066,20.566 17.566,20.566 18.165,21.165 18.165,21.792 19.135,22.762 19.2,22.762 19.312,22.875 U22.15
  Bottom Layer w0.254: J24.3 5.2,10.46 7,12.26 10.74,16 12.5,16 15.943,19.443 v1(17,20.5)
US_4_TRIG_5V: J24.2 U21.15 | length 16.4
  Top Layer w0.254: J24.2 10.989,13 14.114,9.875 U21.15
US_5_ECHO_5V: J25.3 U22.1 | length 30.7
  Top Layer w0.254: v1(17,16.5) 19,18.5 23,18.5 25.875,21.375 U22.1
  Bottom Layer w0.254: J25.3 3.126,10.54 4.333,9.333 9.833,9.333 v1(17,16.5)
US_5_TRIG_5V: J25.2 U21.1 | length 30.1
  Top Layer w0.254: J25.2 3.126,13.08 4.619,11.587 8.413,11.587 14.5,5.5 24,5.5 25.875,7.375 U21.1
US_ECHO_3V3: J26.8 R25.2 | length 10.5
  Top Layer w0.254: R25.2@35,25.5 35,27 38,30 41.08,30 J26.8
US_ECHO_5V: U22.3 U24.1 U24.2 | length 4.4
  Top Layer w0.254: U22.3 25.888,23.513 29.35,23.513 U24.1
US_SEL_0: J26.1 R21.2 | length 18.2
  Top Layer w0.254: R21.2@29.525,15.5 v1(31,15.5)
  Bottom Layer w0.254: v1(31,15.5) 39.73,24.23 J26.1
US_SEL_1: J26.2 R22.2 | length 18.6
  Top Layer w0.254: R22.2@29.525,18 v1(31,18)
  Bottom Layer w0.254: v1(31,18) 37,24 37,29 38.923,30.923 39.463,30.923 J26.2
US_SEL_2: J26.3 R23.2 | length 19.8
  Top Layer w0.254: R23.2@29.525,20.5 v1(31,20.5)
  Bottom Layer w0.254: v1(31,20.5) 31.066,20.566 31.066,21.066 35,25 35,31.5 37.23,33.73 J26.3
US_TRIG_3V3: J26.7 R24.1 | length 16.9
  Top Layer w0.254: R24.1@33,17.025 33,19.5 35,21.5 37.5,21.5 42.27,26.27 J26.7
US_TRIG_5V: U21.3 U23.4 | length 4.6
  Top Layer w0.254: U21.3 27.828,10.525 29.253,11.95 U23.4
pads on no net: J11.2 J11.4 J11.6 J11.8 J11.9 J11.11 J11.17 J11.19 J14.6 J14.12 J26.6 J26.12 J34.6 J34.10 J34.12 U21.2 U21.4 U21.5 U21.7 U22.2 U22.4 U22.5 U22.7 U61.5
copper on no net:
  other v1: 23,20

## Polygon pours and split planes (outlines as drawn)
+3V3 on Top Layer pwr "+3V3_L02_P007" (solid, pour order 7): 29,11.5 27.5,13 20.5,13 19,14.5 19,21 6,34 6,41 12.39,41 12.578,41.188 30.563,23.204 33.419,23.204 33.419,27.395 33.401,27.395 29.296,31.5 29.296,43.5 31.5,43.5 33,45 33,50.5 28.5,55 23.204,55 20,55 20,60.5 34.5,75 34.5,79 18.5,79 18.5,82.5 52.5,82.5 52.5,55 40.5,55 37.5,52 37.5,16.5 34.5,16.5 34.5,13.5 36.5,11.5 36.5,8.5 28,0 0,0 0,6.5 27.5,6.5 29,8
+3V3_NFC on Top Layer pwr "+3V3_NFC_L02_P002" (solid, pour order 2): 36.5,8.5 36.5,11.5 34.5,13.5 34.5,16.5 37.5,16.5 37.5,52 40.5,55 52.5,55 52.5,0 28,0
+12V on Top Layer pwr "+12V_L02_P009" (solid, pour order 9): 6,68 12.5,68 18.5,74 18.5,79 28.5,79 28.5,76.5 13,61 13,53.5 11.5,52 11.5,51 13,49.5 15.5,49.5 15.5,49.59 20.91,55 28.5,55 33,50.5 33,45 31.5,43.5 29.5,43.5 26,47 26,50.5 22.5,50.5 17.5,45.5 15.5,45.5 12.5,42.5 12.5,41 6,41
+3V3_US on Top Layer pwr "+3V3_US_L02_P003" (solid, pour order 3): 29.5,43.5 29.5,31.5 33.5,27.5 33.5,23.081 33.419,23 30.5,23 12.5,41 12.5,42.5 15.5,45.5 17.5,45.5 19.5,47.5 22.5,50.5 26,50.5 26,47
+5V_US on Top Layer pwr "+5V_US_L02_P000" (solid, pour order 0): 19,6.5 27.5,6.5 29,8 29,11.5 27.5,13 20.5,13 19,14.5 19,21 6,34 6,56.5 0,56.5 0,6.5
+5V on Top Layer pwr "+5V_L02_P030" (solid, pour order 30): 13,53.5 13,61 28.5,76.5 28.5,79 34.5,79 34.5,75 20,60.5 20,54 15.5,49.5 13,49.5 11.5,51 11.5,52
+5V_ZYBO on Top Layer pwr "+5V_ZYBO_L02_P025" (solid, pour order 25): 0,56.5 6,56.5 6,68 12.5,68 18.5,74 18.5,82.5 0,82.5
no net on Top Layer pwr "NONET_L02_P014" (solid, pour order 14): 36.5,11.5 34.5,11.5 32.5,13.5 32.5,16.5 36.5,16.5
GND on Bottom Layer gnd "GND_L03_P011" (solid, pour order 11): 0,82.5 52.5,82.5 52.5,0 0,0
GND on Bottom Layer "GND_L04_P032" (solid, pour order 32): 0,82.5 52.5,82.5 52.5,0 0,0
GND on Top Layer "GND_L01_P034" (solid, pour order 34): 0,0 0,82.5 52.5,82.5 52.5,0

## Silkscreen, mask and mechanical layers (free items; w line width, h text height)
Top Overlay:
  drawing of 22 lines, arcs and shapes, not listed
  text "ALIM HOLO" at 37.65,79.15 h1
  text "JE" at 50.15,48.65 h1
  text "JD" at 50.15,25.65 h1
  text "CARTE INTERFACE / ZYBO Z7 7020 2022" at 9,16.5 h1.52 r270
  text "JC" at 50.15,2.65 h1

## Text inside footprints (layer, text, board x,y; h text height)
J14: Top Overlay "12" at 42.5,65.5 h1.02 r90; Top Overlay "6" at 40,66 h1.02 r90; Top Overlay "7" at 42.5,49.5 h1.02 r90; Top Overlay "1" at 40.5,49.5 h1.02 r90
J26: Top Overlay "12" at 42.5,42.5 h1.02 r90; Top Overlay "6" at 40,43 h1.02 r90; Top Overlay "7" at 42.5,26.5 h1.02 r90; Top Overlay "1" at 40.5,26.5 h1.02 r90
J34: Top Overlay "12" at 42.5,19.5 h1.02 r90; Top Overlay "6" at 40,20 h1.02 r90; Top Overlay "7" at 42.5,3.5 h1.02 r90; Top Overlay "1" at 40.5,3.5 h1.02 r90